# Altium PCB 10515.0462_全联供主板(2拼版)_V1.0.PcbDoc (part 17 of 18)
Units mm, origin at the board's own origin, x right, y up, seen from the top; angles counter-clockwise.
Board outline 282 x 198 mm, 2 copper layers (Top Layer, Bottom Layer); 716 components, 0 nets, 2364 pads, 1800 vias.
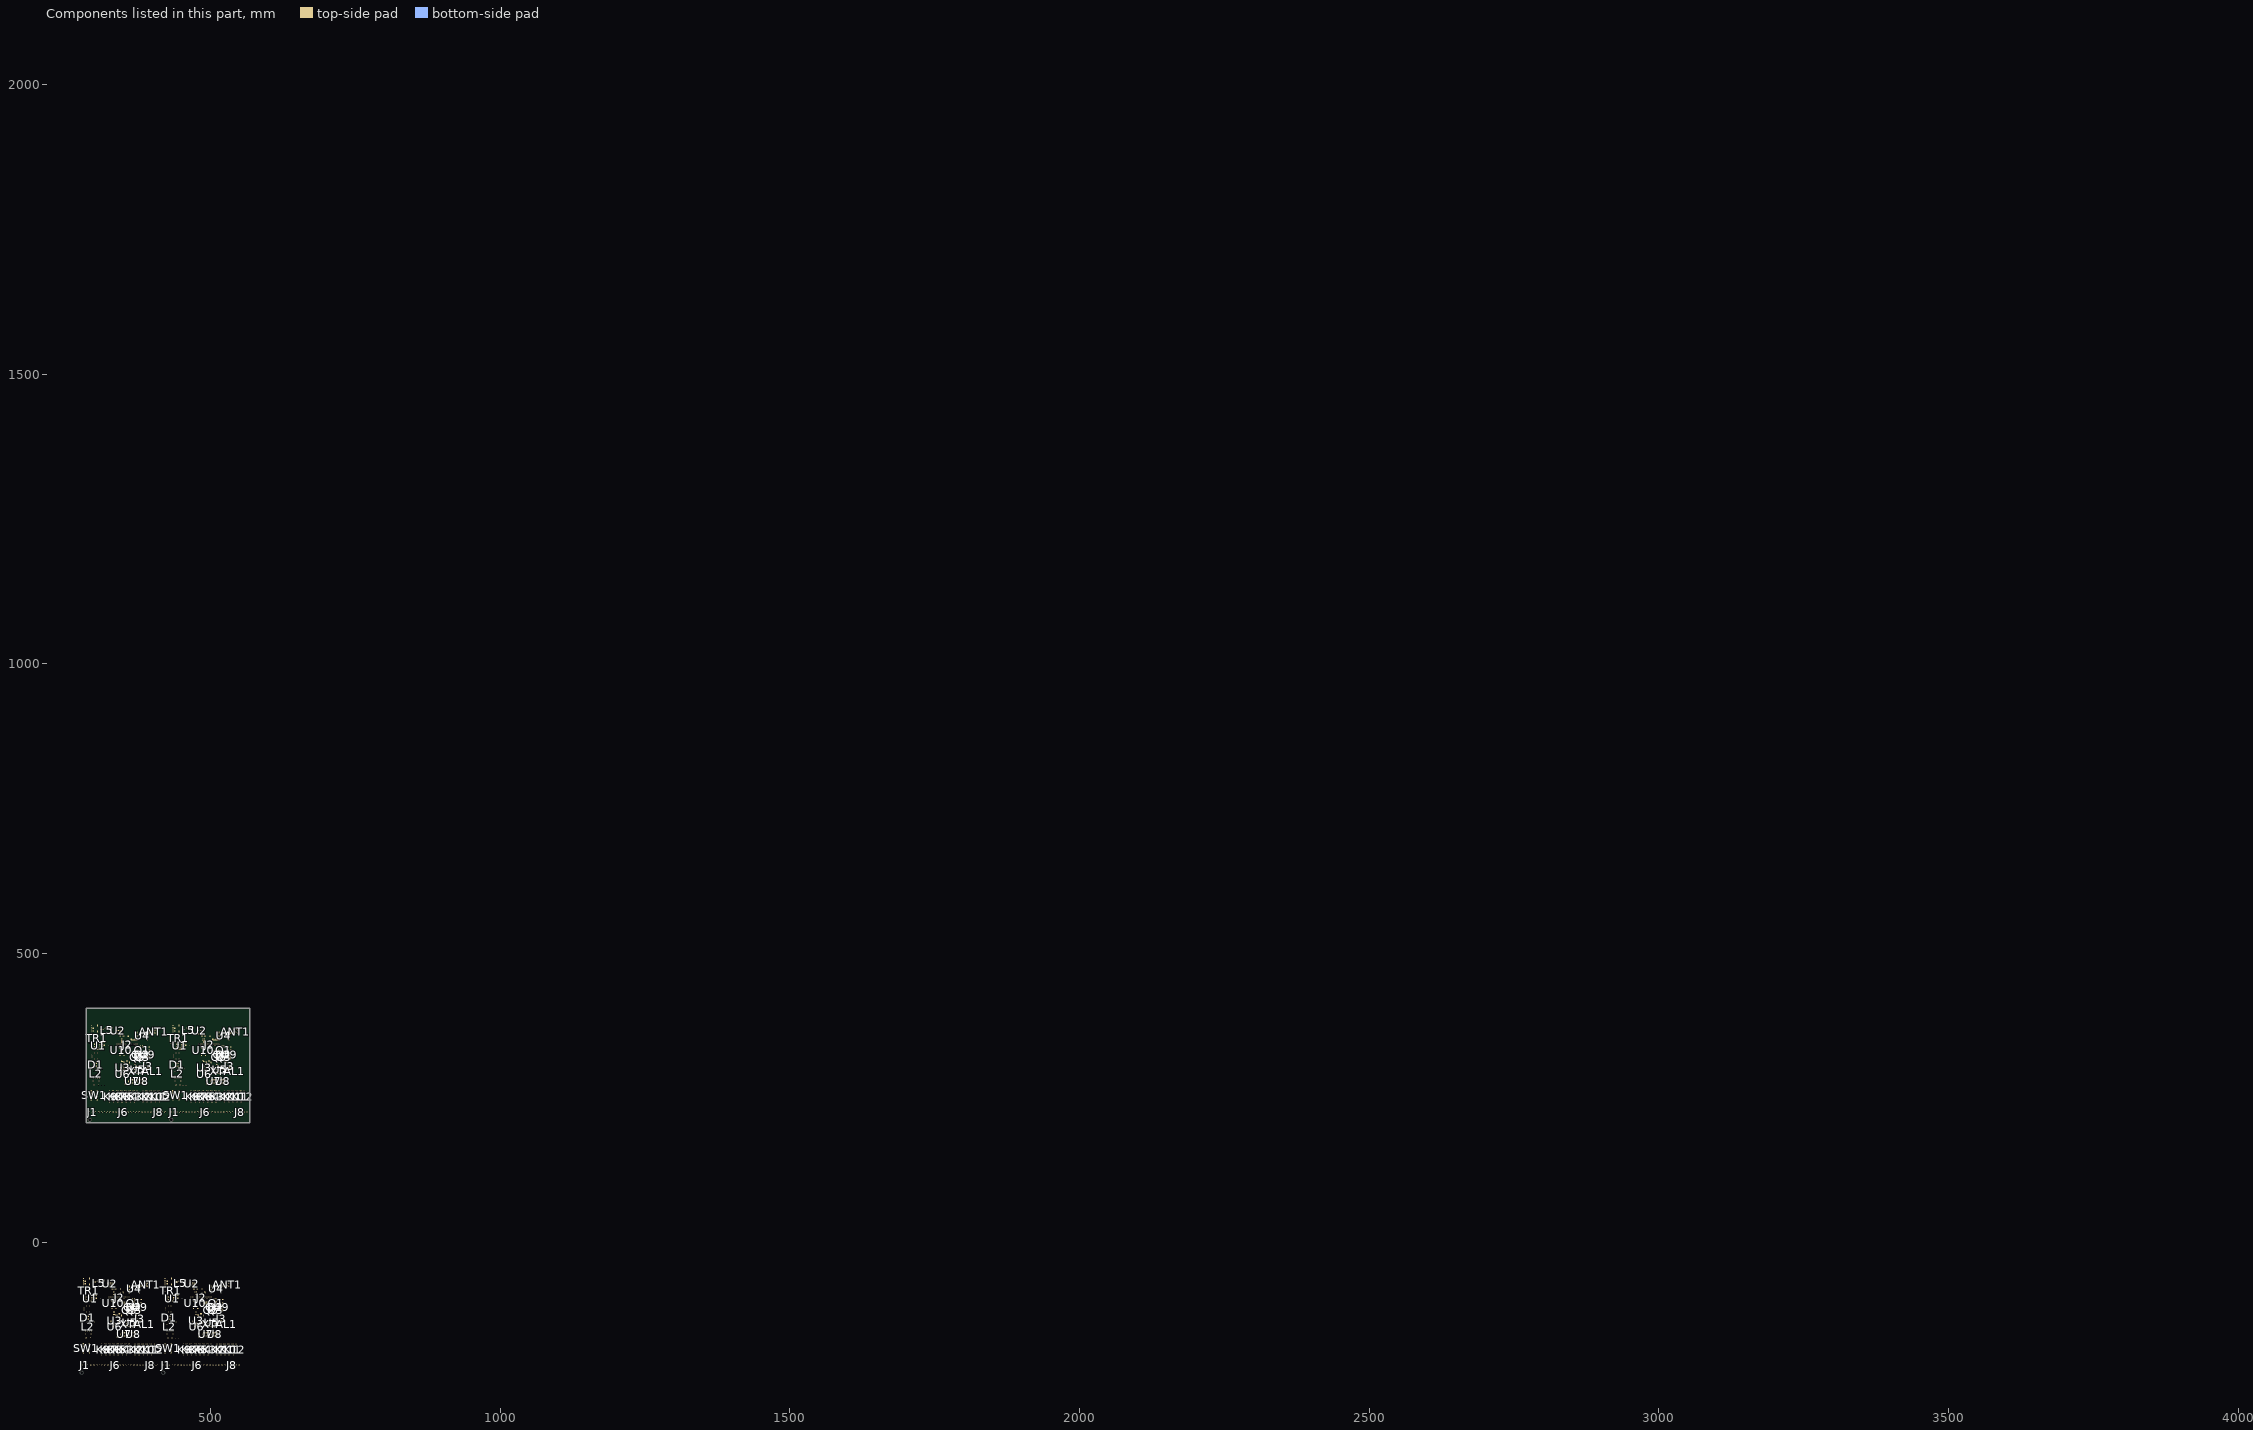
[diagram p17: the components of this part, seen from the top]

## Via types
v1: diameter 0.7, hole 0.4, Top Layer to Bottom Layer, tented both sides, 1800 vias

## Nets (pads, with @x,y where several pads share a name; then routed paths per layer and width w, separated by ;. In a path a pad name is that pad's centre, name@x,y a point inside that pad or via, vN(x,y) a via of type N, cw(c..) or ccw(c..) an arc to the next point about the centre after c; other vN are vias at no path point) (continued)
copper on no net: (continued)
  other v1: 333.609,-159.665 334.371,-159.665 474.609,-159.665 475.371,-159.665 333.99,-158.903 474.99,-158.903 371.943,-153.442 376.281,-153.442 512.943,-153.442 517.281,-153.442 326.731,-153.315 467.731,-153.315 379.837,-153.162 383.774,-153.162 520.837,-153.162 524.774,-153.162 332.319,-153.061 473.319,-153.061 338.923,-152.934 479.923,-152.934 369.403,-152.172 510.403,-152.172 324.191,-151.918 465.191,-151.918 345.527,-151.537 486.527,-151.537 386.441,-151.13 527.441,-151.13 374.63,-150.622 380.853,-150.622 515.63,-150.622 521.853,-150.622 338.923,-150.394 479.923,-150.394 330.688,-150.114 471.688,-150.114 345.801,-148.59 486.801,-148.59 338.181,-148.362 355.453,-148.362 372.959,-148.362 376.281,-148.362 479.181,-148.362 496.453,-148.362 513.959,-148.362 517.281,-148.362 368.387,-148.235 509.387,-148.235 327.259,-148.082 343.134,-148.082 352.405,-148.082 468.259,-148.082 484.134,-148.082 493.405,-148.082 348.575,-147.854 489.575,-147.854 379.563,-147.473 383.627,-147.473 520.563,-147.473 524.627,-147.473 323.175,-147.219 464.175,-147.219 385.806,-147.066 526.806,-147.066 348.067,-146.076 489.067,-146.076 345.527,-145.822 486.527,-145.822 328.021,-145.542 469.021,-145.542 350.373,-145.314 491.373,-145.314 354.437,-145.034 495.437,-145.034 341.229,-144.78 482.229,-144.78 367.01,-144.526 508.01,-144.526 345.166,-144.018 486.166,-144.018 339.939,-143.79 480.939,-143.79 340.955,-143.663 481.955,-143.663 324.338,-143.51 371.582,-143.51 465.338,-143.51 512.582,-143.51 344.511,-143.282 485.511,-143.282 386.167,-143.155 527.167,-143.155 341.737,-143.002 350.754,-143.014 366.375,-143.002 482.737,-143.002 491.754,-143.014 507.375,-143.002 377.297,-142.774 518.297,-142.774 368.151,-142.335 509.151,-142.335 355.818,-142.292 496.818,-142.292 327.747,-142.139 468.747,-142.139 380.091,-142.012 521.091,-142.012 348.341,-140.869 489.341,-140.869 352.913,-140.742 493.913,-140.742 331.303,-139.726 472.303,-139.726 357.485,-139.446 362.438,-139.446 498.485,-139.446 503.438,-139.446 323.83,-138.938 464.83,-138.938 338.415,-138.71 479.415,-138.71 341.971,-138.583 482.971,-138.583 359.009,-138.456 500.009,-138.456 361.168,-138.43 502.168,-138.43 356.469,-138.329 497.469,-138.329 377.424,-137.922 518.424,-137.922 331.303,-137.567 472.303,-137.567 380.98,-137.059 521.98,-137.059 357.993,-136.906 386.314,-136.906 498.993,-136.906 527.314,-136.906 361.93,-136.805 502.93,-136.805 356.469,-136.398 360.152,-136.398 497.469,-136.398 501.152,-136.398 323.175,-136.043 464.175,-136.043 357.866,-135.154 498.866,-135.154 342.987,-135.027 345.019,-135.027 483.987,-135.027 486.019,-135.027 361.295,-134.646 502.295,-134.646 323.683,-134.011 464.683,-134.011 345.928,-133.858 347.706,-133.858 486.928,-133.858 488.706,-133.858 356.703,-133.63 497.703,-133.63 359.751,-133.503 500.751,-133.503 344.15,-133.35 362.819,-133.35 485.15,-133.35 503.819,-133.35 353.548,-132.842 355.326,-132.842 494.548,-132.842 496.326,-132.842 353.929,-131.318 494.929,-131.318 370.378,-130.709 511.378,-130.709 365.867,-130.302 386.06,-130.302 506.867,-130.302 527.06,-130.302 364.47,-129.976 505.47,-129.976 347.198,-128.804 488.198,-128.804 376.154,-128.778 517.154,-128.778 353.655,-128.677 494.655,-128.677 346.182,-127.28 487.182,-127.28 284.587,-126.487 285.222,-126.487 425.587,-126.487 426.222,-126.487 323.175,-126.391 328.255,-126.391 464.175,-126.391 469.255,-126.391 381.742,-125.73 522.742,-125.73 365.232,-125.222 506.232,-125.222 386.167,-123.851 527.167,-123.851 377.805,-123.698 518.805,-123.698 327.386,-123.19 468.386,-123.19 365.486,-122.682 506.486,-122.682 382.103,-122.454 523.103,-122.454 336.784,-120.65 477.784,-120.65 327.513,-120.142 346.436,-120.142 468.513,-120.142 487.436,-120.142 337.673,-119.634 478.673,-119.634 341.463,-118.898 482.463,-118.898 342.88,-118.618 483.88,-118.618 327.513,-117.602 468.513,-117.602 340.447,-116.993 481.447,-116.993 322.941,-116.866 463.941,-116.866 336.383,-116.231 477.383,-116.231 338.923,-115.723 479.923,-115.723 343.007,-115.57 346.69,-115.57 484.007,-115.57 487.69,-115.57 382.123,-115.062 523.123,-115.062 327.005,-114.046 468.005,-114.046 385.659,-113.183 526.659,-113.183 323.068,-112.014 376.789,-112.014 464.068,-112.014 517.789,-112.014 381.869,-111.506 522.869,-111.506 336.657,-109.754 477.657,-109.754 326.878,-108.966 467.878,-108.966 373.614,-107.95 514.614,-107.95 322.667,-106.579 463.667,-106.579 358.501,-105.918 359.771,-105.918 499.501,-105.918 500.771,-105.918 327.239,-105.182 372.959,-105.182 468.239,-105.182 513.959,-105.182 382.123,-104.902 523.123,-104.902 386.167,-104.039 527.167,-104.039 335.514,-103.658 476.514,-103.658 322.941,-102.362 327.005,-102.362 336.657,-102.362 463.941,-102.362 468.005,-102.362 477.657,-102.362 359.009,-101.346 500.009,-101.346 361.783,-101.245 502.783,-101.245 382.377,-100.838 523.377,-100.838 380.579,-100.356 521.579,-100.356 373.467,-100.229 514.467,-100.229 327.239,-100.102 468.239,-100.102 336.657,-99.975 477.657,-99.975 322.667,-98.705 463.667,-98.705 382.611,-96.038 523.611,-96.038 380.853,-95.25 386.314,-95.25 521.853,-95.25 527.314,-95.25 362.565,-92.202 503.565,-92.202 377.023,-92.101 518.023,-92.101 366.355,-91.974 373.741,-91.974 507.355,-91.974 514.741,-91.974 381.087,-91.847 522.087,-91.847 369.804,-91.696 510.804,-91.696 379.055,-90.196 520.055,-90.196 325.989,-89.688 466.989,-89.688 329.271,-89.307 470.271,-89.307 346.436,-88.63 487.436,-88.63 345.227,-88.415 349.083,-88.418 486.227,-88.415 490.083,-88.418 323.83,-88.291 341.483,-88.291 464.83,-88.291 482.483,-88.291 350.5,-88.138 358.882,-88.138 371.074,-88.138 377.932,-88.138 491.5,-88.138 499.882,-88.138 512.074,-88.138 518.932,-88.138 355.687,-88.037 496.687,-88.037 348.067,-87.91 489.067,-87.91 345.846,-87.796 486.846,-87.796 361.275,-87.783 502.275,-87.783 353.929,-87.63 494.929,-87.63 342.245,-87.529 483.245,-87.529 350.099,-87.255 491.099,-87.255 379.964,-87.122 520.964,-87.122 337.399,-86.894 478.399,-86.894 327.894,-86.614 365.994,-86.614 468.894,-86.614 506.994,-86.614 371.943,-86.259 512.943,-86.259 362.184,-86.106 503.184,-86.106 339.451,-85.09 480.451,-85.09 323.957,-84.608 464.957,-84.608 380.091,-84.582 521.091,-84.582 346.436,-84.163 487.436,-84.163 371.074,-84.13 512.074,-84.13 363.835,-84.074 367.645,-84.074 504.835,-84.074 508.645,-84.074 335.875,-83.846 476.875,-83.846 344.912,-83.566 485.912,-83.566 380.071,-83.338 521.071,-83.338 326.243,-83.211 467.243,-83.211 339.578,-83.058 349.103,-83.058 480.578,-83.058 490.103,-83.058 354.056,-82.957 495.056,-82.957 329.291,-82.83 470.291,-82.83 303.764,-82.576 444.764,-82.576 344.912,-82.55 485.912,-82.55 302.621,-82.195 443.621,-82.195 350.607,-81.941 372.451,-81.941 491.607,-81.941 513.451,-81.941 303.637,-81.814 304.272,-81.814 444.637,-81.814 445.272,-81.814 352.532,-81.687 370.419,-81.687 493.532,-81.687 511.419,-81.687 302.958,-81.643 443.958,-81.643 335.26,-81.534 476.26,-81.534 347.559,-81.433 380.071,-81.433 488.559,-81.433 521.071,-81.433 339.431,-81.179 365.847,-81.179 480.431,-81.179 506.847,-81.179 336.784,-81.026 477.784,-81.026 302.494,-80.925 443.494,-80.925 355.58,-80.518 496.58,-80.518 363.073,-80.01 369.169,-80.01 504.073,-80.01 510.169,-80.01 349.083,-79.909 490.083,-79.909 365.232,-79.502 380.345,-79.502 506.232,-79.502 521.345,-79.502 323.576,-79.401 464.576,-79.401 327.005,-79.274 339.431,-79.274 468.005,-79.274 480.431,-79.274 347.198,-78.486 488.198,-78.486 375.499,-78.385 516.499,-78.385 355.687,-78.004 496.687,-78.004 350.246,-77.978 372.598,-77.978 491.246,-77.978 513.598,-77.978 377.023,-77.75 380.071,-77.75 518.023,-77.75 521.071,-77.75 339.832,-77.47 353.294,-77.47 370.439,-77.47 480.832,-77.47 494.294,-77.47 511.439,-77.47 373.614,-76.962 383.393,-76.962 387.457,-76.962 389.997,-76.962 391.902,-76.962 514.614,-76.962 524.393,-76.962 528.457,-76.962 530.997,-76.962 532.902,-76.962 385.151,-76.833 526.151,-76.833 344.003,-76.734 381.087,-76.734 485.003,-76.734 522.087,-76.734 386.568,-76.48 527.568,-76.48 336.784,-76.454 379.329,-76.454 477.784,-76.454 520.329,-76.454 362.565,-76.226 503.565,-76.226 376.007,-76.099 517.007,-76.099 367.264,-75.946 377.805,-75.946 508.264,-75.946 518.805,-75.946 347.051,-75.718 382.611,-75.718 387.691,-75.718 393.045,-75.718 488.051,-75.718 523.611,-75.718 528.691,-75.718 534.045,-75.718 341.737,-75.438 377.043,-75.438 482.737,-75.438 518.043,-75.438 378.44,-74.956 519.44,-74.956 351.389,-74.93 492.389,-74.93 382.631,-74.917 523.631,-74.917 380.579,-74.829 521.579,-74.829 354.163,-74.702 355.687,-74.702 495.163,-74.702 496.687,-74.702 387.076,-74.482 388.092,-74.482 528.076,-74.482 529.092,-74.482 374.884,-74.422 392.918,-74.422 515.884,-74.422 533.918,-74.422 364.089,-74.194 382.611,-74.194 505.089,-74.194 523.611,-74.194 369.911,-74.067 510.911,-74.067 378.44,-73.94 519.44,-73.94 332.72,-73.914 351.262,-73.914 473.72,-73.914 492.262,-73.914 373.467,-73.813 514.467,-73.813 349.23,-73.406 490.23,-73.406 332.085,-73.178 473.085,-73.178 382.814,-73.152 523.814,-73.152 338.923,-73.051 378.44,-73.051 392.771,-73.051 479.923,-73.051 519.44,-73.051 533.771,-73.051 375.349,-72.898 516.349,-72.898 374.483,-72.67 515.483,-72.67 341.971,-72.543 482.971,-72.543 371.836,-72.39 393.553,-72.39 512.836,-72.39 534.553,-72.39 390.113,-72.289 531.113,-72.289 336.149,-72.162 347.051,-72.162 477.149,-72.162 488.051,-72.162 391.247,-72.035 532.247,-72.035 351.897,-71.882 354.437,-71.882 365.232,-71.882 492.897,-71.882 495.437,-71.882 506.232,-71.882 322.944,-71.522 463.944,-71.522 390.113,-71.4 531.113,-71.4 356.596,-71.374 374.757,-71.374 497.596,-71.374 515.757,-71.374 334.351,-71.019 475.351,-71.019 392.283,-70.866 533.283,-70.866 382.611,-70.669 523.611,-70.669 393.279,-70.638 534.279,-70.638 375.9,-70.556 377.805,-70.556 516.9,-70.556 518.805,-70.556 374.991,-70.003 515.991,-70.003 377.023,-69.876 518.023,-69.876 336.276,-69.85 377.805,-69.85 477.276,-69.85 518.805,-69.85 382.585,-69.622 523.585,-69.622 386.949,-69.402 387.965,-69.402 527.949,-69.402 528.965,-69.402 378.694,-69.284 519.694,-69.284 318.496,-69.114 320.655,-69.114 459.496,-69.114 461.655,-69.114 334.859,-68.987 382.103,-68.987 475.859,-68.987 523.103,-68.987 371.328,-68.834 375.646,-68.834 380.345,-68.834 512.328,-68.834 516.646,-68.834 521.345,-68.834 363.815,-68.606 373.467,-68.606 504.815,-68.606 514.467,-68.606 378.547,-68.479 519.547,-68.479 343.007,-68.326 368.788,-68.326 387.584,-68.326 392.537,-68.326 393.553,-68.326 484.007,-68.326 509.788,-68.326 528.584,-68.326 533.537,-68.326 534.553,-68.326 358.227,-68.098 381.869,-68.098 499.227,-68.098 522.869,-68.098 355.179,-67.971 496.179,-67.971 332.974,-67.818 349.23,-67.818 379.71,-67.818 473.974,-67.818 490.23,-67.818 520.71,-67.818 335.875,-67.717 476.875,-67.717 360.259,-67.59 501.259,-67.59 320.318,-67.336 461.318,-67.336 392.537,-67.31 533.537,-67.31 383.119,-67.082 524.119,-67.082 366.883,-66.802 384.917,-66.802 386.695,-66.802 507.883,-66.802 525.917,-66.802 527.695,-66.802 390.231,-66.701 531.231,-66.701 379.055,-66.574 380.579,-66.574 520.055,-66.574 521.579,-66.574 321.798,-66.294 323.957,-66.294 326.116,-66.294 331.069,-66.294 333.228,-66.294 376.281,-66.294 462.798,-66.294 464.957,-66.294 467.116,-66.294 472.069,-66.294 474.228,-66.294 517.281,-66.294 328.255,-66.066 371.201,-66.066 392.771,-66.066 469.255,-66.066 512.201,-66.066 533.771,-66.066 387.691,-65.939 528.691,-65.939 356.596,-65.786 383.393,-65.786 497.596,-65.786 524.393,-65.786 341.971,-65.558 351.115,-65.558 482.971,-65.558 492.115,-65.558 364.597,-65.278 505.597,-65.278 376.281,-64.77 380.726,-64.77 517.281,-64.77 521.726,-64.77 386.167,-64.415 390.739,-64.415 527.167,-64.415 531.739,-64.415 382.885,-64.262 388.981,-64.262 523.885,-64.262 529.981,-64.262 379.329,-63.754 520.329,-63.754 347.238,276.93 348,276.93 488.238,276.93 489,276.93 347.619,277.692 488.619,277.692 385.572,283.153 389.91,283.153 526.572,283.153 530.91,283.153 340.36,283.28 481.36,283.28 393.466,283.433 397.403,283.433 534.466,283.433 538.403,283.433 345.948,283.534 486.948,283.534 352.552,283.661 493.552,283.661 383.032,284.423 524.032,284.423 337.82,284.677 478.82,284.677 359.156,285.058 500.156,285.058 400.07,285.465 541.07,285.465 388.259,285.973 394.482,285.973 529.259,285.973 535.482,285.973 352.552,286.201 493.552,286.201 344.317,286.481 485.317,286.481 359.43,288.005 500.43,288.005 351.81,288.233 369.082,288.233 386.588,288.233 389.91,288.233 492.81,288.233 510.082,288.233 527.588,288.233 530.91,288.233 382.016,288.36 523.016,288.36 340.888,288.513 356.763,288.513 366.034,288.513 481.888,288.513 497.763,288.513 507.034,288.513 362.204,288.741 503.204,288.741 393.192,289.122 397.256,289.122 534.192,289.122 538.256,289.122 336.804,289.376 477.804,289.376 399.435,289.529 540.435,289.529 361.696,290.519 502.696,290.519 359.156,290.773 500.156,290.773 341.65,291.053 482.65,291.053 364.002,291.281 505.002,291.281 368.066,291.561 509.066,291.561 354.858,291.816 495.858,291.816 380.639,292.069 521.639,292.069 358.795,292.577 499.795,292.577 353.568,292.805 494.568,292.805 354.584,292.932 495.584,292.932 337.967,293.085 385.211,293.085 478.967,293.085 526.211,293.085 358.14,293.313 499.14,293.313 399.796,293.44 540.796,293.44 364.383,293.581 505.383,293.581 355.366,293.593 380.004,293.593 496.366,293.593 521.004,293.593 390.926,293.821 531.926,293.821 381.78,294.26 522.78,294.26 369.447,294.303 510.447,294.303 341.376,294.456 482.376,294.456 393.72,294.583 534.72,294.583 361.97,295.726 502.97,295.726 366.542,295.853 507.542,295.853 344.932,296.869 485.932,296.869 371.114,297.149 376.067,297.149 512.114,297.149 517.067,297.149 337.459,297.657 478.459,297.657 352.044,297.885 493.044,297.885 355.6,298.012 496.6,298.012 372.638,298.139 513.638,298.139 374.797,298.165 515.797,298.165 370.098,298.266 511.098,298.266 391.053,298.673 532.053,298.673 344.932,299.028 485.932,299.028 394.609,299.536 535.609,299.536 371.622,299.689 399.943,299.689 512.622,299.689 540.943,299.689 375.559,299.79 516.559,299.79 370.098,300.197 373.781,300.197 511.098,300.197 514.781,300.197 336.804,300.552 477.804,300.552 371.495,301.441 512.495,301.441 356.616,301.568 358.648,301.568 497.616,301.568 499.648,301.568 374.924,301.949 515.924,301.949 337.312,302.584 478.312,302.584 359.557,302.737 361.335,302.737 500.557,302.737 502.335,302.737 370.332,302.965 511.332,302.965 373.38,303.092 514.38,303.092 357.779,303.245 376.448,303.245 498.779,303.245 517.448,303.245 367.177,303.753 368.955,303.753 508.177,303.753 509.955,303.753 367.558,305.277 508.558,305.277 384.007,305.886 525.007,305.886 379.496,306.293 399.689,306.293 520.496,306.293 540.689,306.293 378.099,306.62 519.099,306.62 360.827,307.791 501.827,307.791 389.783,307.817 530.783,307.817 367.284,307.918 508.284,307.918 359.811,309.315 500.811,309.315 298.216,310.108 298.851,310.108 439.216,310.108 439.851,310.108 336.804,310.204 341.884,310.204 477.804,310.204 482.884,310.204 395.371,310.865 536.371,310.865 378.861,311.373 519.861,311.373 399.796,312.744 540.796,312.744 391.434,312.897 532.434,312.897 341.015,313.405 482.015,313.405 379.115,313.913 520.115,313.913 395.732,314.141 536.732,314.141 350.413,315.945 491.413,315.945 341.142,316.453 360.065,316.453 482.142,316.453 501.065,316.453 351.302,316.961 492.302,316.961 355.092,317.697 496.092,317.697 356.509,317.977 497.509,317.977 341.142,318.993 482.142,318.993 354.076,319.602 495.076,319.602 336.57,319.729 477.57,319.729 350.012,320.364 491.012,320.364 352.552,320.872 493.552,320.872 356.636,321.025 360.319,321.025 497.636,321.025 501.319,321.025 395.752,321.533 536.752,321.533 340.634,322.549 481.634,322.549 399.288,323.412 540.288,323.412 336.697,324.581 390.418,324.581 477.697,324.581 531.418,324.581 395.498,325.089 536.498,325.089 350.286,326.841 491.286,326.841 340.507,327.629 481.507,327.629 387.243,328.645 528.243,328.645 336.296,330.016 477.296,330.016 372.13,330.677 373.4,330.677 513.13,330.677 514.4,330.677 340.868,331.413 386.588,331.413 481.868,331.413 527.588,331.413 395.752,331.693 536.752,331.693 399.796,332.556 540.796,332.556 349.143,332.937 490.143,332.937 336.57,334.233 340.634,334.233 350.286,334.233 477.57,334.233 481.634,334.233 491.286,334.233 372.638,335.249 513.638,335.249 375.412,335.35 516.412,335.35 396.006,335.757 537.006,335.757 394.208,336.239 535.208,336.239 387.096,336.366 528.096,336.366 340.868,336.493 481.868,336.493 350.286,336.62 491.286,336.62 336.296,337.89 477.296,337.89 396.24,340.557 537.24,340.557 394.482,341.345 399.943,341.345 535.482,341.345 540.943,341.345 376.194,344.393 517.194,344.393 390.652,344.494 531.652,344.494 379.984,344.621 387.37,344.621 520.984,344.621 528.37,344.621 394.716,344.748 535.716,344.748 383.433,344.899 524.433,344.899 392.684,346.399 533.684,346.399 339.618,346.907 480.618,346.907 342.9,347.288 483.9,347.288 360.065,347.965 501.065,347.965 358.856,348.18 362.712,348.177 499.856,348.18 503.712,348.177 337.459,348.304 355.112,348.304 478.459,348.304 496.112,348.304 364.129,348.457 372.511,348.457 384.703,348.457 391.561,348.457 505.129,348.457 513.511,348.457 525.703,348.457 532.561,348.457 369.316,348.558 510.316,348.558 361.696,348.685 502.696,348.685 359.475,348.799 500.475,348.799 374.904,348.812 515.904,348.812 367.558,348.965 508.558,348.965 355.874,349.066 496.874,349.066 363.728,349.34 504.728,349.34 393.593,349.473 534.593,349.473 351.028,349.701 492.028,349.701 341.523,349.981 379.623,349.981 482.523,349.981 520.623,349.981 385.572,350.336 526.572,350.336 375.813,350.489 516.813,350.489 353.08,351.505 494.08,351.505 337.586,351.987 478.586,351.987 393.72,352.013 534.72,352.013 360.065,352.432 501.065,352.432 384.703,352.465 525.703,352.465 377.464,352.521 381.274,352.521 518.464,352.521 522.274,352.521 349.504,352.749 490.504,352.749 358.541,353.029 499.541,353.029 393.7,353.257 534.7,353.257 339.872,353.384 480.872,353.384 353.207,353.537 362.732,353.537 494.207,353.537 503.732,353.537 367.685,353.638 508.685,353.638 342.92,353.765 483.92,353.765 317.393,354.019 458.393,354.019 358.541,354.045 499.541,354.045 316.25,354.4 457.25,354.4 364.236,354.654 386.08,354.654 505.236,354.654 527.08,354.654 317.266,354.781 317.901,354.781 458.266,354.781 458.901,354.781 366.161,354.908 384.048,354.908 507.161,354.908 525.048,354.908 316.587,354.952 457.587,354.952 348.889,355.061 489.889,355.061 361.188,355.162 393.7,355.162 502.188,355.162 534.7,355.162 353.06,355.416 379.476,355.416 494.06,355.416 520.476,355.416 350.413,355.569 491.413,355.569 316.123,355.67 457.123,355.67 369.209,356.077 510.209,356.077 376.702,356.585 382.798,356.585 517.702,356.585 523.798,356.585 362.712,356.686 503.712,356.686 378.861,357.093 393.974,357.093 519.861,357.093 534.974,357.093 337.205,357.194 478.205,357.194 340.634,357.321 353.06,357.321 481.634,357.321 494.06,357.321 360.827,358.109 501.827,358.109 389.128,358.21 530.128,358.21 369.316,358.591 510.316,358.591 363.875,358.617 386.227,358.617 504.875,358.617 527.227,358.617 390.652,358.845 393.7,358.845 531.652,358.845 534.7,358.845 353.461,359.125 366.923,359.125 384.068,359.125 494.461,359.125 507.923,359.125 525.068,359.125 387.243,359.633 397.022,359.633 401.086,359.633 403.626,359.633 405.531,359.633 528.243,359.633 538.022,359.633 542.086,359.633 544.626,359.633 546.531,359.633 398.78,359.763 539.78,359.763 357.632,359.861 394.716,359.861 498.632,359.861 535.716,359.861 400.197,360.115 541.197,360.115 350.413,360.141 392.958,360.141 491.413,360.141 533.958,360.141 376.194,360.369 517.194,360.369 389.636,360.496 530.636,360.496 380.893,360.649 391.434,360.649 521.893,360.649 532.434,360.649 360.68,360.877 396.24,360.877 401.32,360.877 406.674,360.877 501.68,360.877 537.24,360.877 542.32,360.877 547.674,360.877 355.366,361.157 390.672,361.157 496.366,361.157 531.672,361.157 392.069,361.639 533.069,361.639 365.018,361.665 396.26,361.679 506.018,361.665 537.26,361.679 394.208,361.766 535.208,361.766 367.792,361.893 369.316,361.893 508.792,361.893 510.316,361.893 400.705,362.114 401.721,362.114 541.705,362.114 542.721,362.114 388.513,362.173 406.547,362.173 529.513,362.173 547.547,362.173 377.718,362.401 396.24,362.401 518.718,362.401 537.24,362.401 383.54,362.528 524.54,362.528 392.069,362.655 533.069,362.655 346.349,362.681 364.891,362.681 487.349,362.681 505.891,362.681 387.096,362.782 528.096,362.782 362.859,363.189 503.859,363.189 345.714,363.417 486.714,363.417 396.443,363.443 537.443,363.443 352.552,363.544 392.069,363.544 406.4,363.544 493.552,363.544 533.069,363.544 547.4,363.544 388.978,363.697 529.978,363.697 388.112,363.925 529.112,363.925 355.6,364.052 496.6,364.052 385.465,364.205 407.182,364.205 526.465,364.205 548.182,364.205 403.741,364.306 544.741,364.306 349.778,364.433 360.68,364.433 490.778,364.433 501.68,364.433 404.876,364.56 545.876,364.56 365.526,364.713 368.066,364.713 378.861,364.713 506.526,364.713 509.066,364.713 519.861,364.713 336.573,365.074 477.573,365.074 403.741,365.195 544.741,365.195 370.225,365.221 388.386,365.221 511.225,365.221 529.386,365.221 347.98,365.576 488.98,365.576 405.912,365.729 546.912,365.729 396.24,365.927 537.24,365.927 406.908,365.957 547.908,365.957 389.529,366.039 391.434,366.039 530.529,366.039 532.434,366.039 388.62,366.592 529.62,366.592 390.652,366.719 531.652,366.719 349.905,366.745 391.434,366.745 490.905,366.745 532.434,366.745 396.213,366.973 537.213,366.973 400.578,367.194 401.594,367.194 541.578,367.194 542.594,367.194 392.323,367.311 533.323,367.311 332.125,367.481 334.284,367.481 473.125,367.481 475.284,367.481 348.488,367.608 395.732,367.608 489.488,367.608 536.732,367.608 384.957,367.761 389.275,367.761 393.974,367.761 525.957,367.761 530.275,367.761 534.974,367.761 377.444,367.989 387.096,367.989 518.444,367.989 528.096,367.989 392.176,368.116 533.176,368.116 356.636,368.269 382.417,368.269 401.213,368.269 406.166,368.269 407.182,368.269 497.636,368.269 523.417,368.269 542.213,368.269 547.166,368.269 548.182,368.269 371.856,368.497 395.498,368.497 512.856,368.497 536.498,368.497 368.808,368.624 509.808,368.624 346.603,368.777 362.859,368.777 393.339,368.777 487.603,368.777 503.859,368.777 534.339,368.777 349.504,368.878 490.504,368.878 373.888,369.005 514.888,369.005 333.947,369.259 474.947,369.259 406.166,369.285 547.166,369.285 396.748,369.513 537.748,369.513 380.512,369.793 398.546,369.793 400.324,369.793 521.512,369.793 539.546,369.793 541.324,369.793 403.86,369.894 544.86,369.894 392.684,370.021 394.208,370.021 533.684,370.021 535.208,370.021 335.427,370.301 337.586,370.301 339.745,370.301 344.698,370.301 346.857,370.301 389.91,370.301 476.427,370.301 478.586,370.301 480.745,370.301 485.698,370.301 487.857,370.301 530.91,370.301 341.884,370.529 384.83,370.529 406.4,370.529 482.884,370.529 525.83,370.529 547.4,370.529 401.32,370.656 542.32,370.656 370.225,370.809 397.022,370.809 511.225,370.809 538.022,370.809 355.6,371.037 364.744,371.037 496.6,371.037 505.744,371.037 378.226,371.317 519.226,371.317 389.91,371.825 394.355,371.825 530.91,371.825 535.355,371.825 399.796,372.18 404.368,372.18 540.796,372.18 545.368,372.18 396.514,372.333 402.61,372.333 537.514,372.333 543.61,372.333 392.958,372.841 533.958,372.841

## Polygon pours and split planes (outlines as drawn)
no net on Top Layer "Top Layer-No Net" (hatched 90Degree grid 0.508 track 0.508, remove dead copper, pour order 1000): 547.928,372.942 493.445,372.942 492.81,372.307 492.81,352.368 490.397,349.955 490.397,345.51 490.016,345.129 477.189,345.129 476.808,344.748 476.808,283.661 478.078,282.391 539.927,282.645 541.324,284.042 541.324,342.589 539.419,344.494 536.498,344.494 535.99,345.002 535.99,358.591 536.752,359.353 547.166,359.353 548.563,360.75 548.563,372.307
no net on Top Layer "Top Layer-No Net" (hatched 90Degree grid 0.508 track 0.508, remove dead copper, pour order 1001): 473.125,367.318 473.125,367.608 473.633,368.116 476.427,370.91 484.555,370.91 490.016,370.91 490.905,370.021 491.794,369.132 491.794,362.782 491.794,353.257 489.889,351.352 489.381,350.844 489.381,347.034 489.381,344.406 489.37,344.395 488.863,344.901 476.961,344.901 476.961,365.677 476.3,366.338 473.125,366.338 473.107,366.356 473.107,367.464
no net on Top Layer "Top Layer-No Net" (hatched 90Degree grid 0.508 track 0.508, remove dead copper, pour order 1000): 406.928,372.942 352.445,372.942 351.81,372.307 351.81,352.368 349.397,349.955 349.397,345.51 349.016,345.129 336.189,345.129 335.808,344.748 335.808,283.661 337.078,282.391 398.927,282.645 400.324,284.042 400.324,342.589 398.419,344.494 395.498,344.494 394.99,345.002 394.99,358.591 395.752,359.353 406.166,359.353 407.563,360.75 407.563,372.307
no net on Top Layer "Top Layer-No Net" (hatched 90Degree grid 0.508 track 0.508, remove dead copper, pour order 1001): 332.125,367.318 332.125,367.608 332.633,368.116 335.427,370.91 343.555,370.91 349.016,370.91 349.905,370.021 350.794,369.132 350.794,362.782 350.794,353.257 348.889,351.352 348.381,350.844 348.381,347.034 348.381,344.406 348.37,344.395 347.863,344.901 335.961,344.901 335.961,365.677 335.3,366.338 332.125,366.338 332.107,366.356 332.107,367.464
no net on Top Layer "Top Layer-No Net" (hatched 90Degree grid 0.508 track 0.508, remove dead copper, pour order 1000): 534.299,-63.653 479.816,-63.653 479.181,-64.288 479.181,-84.227 476.768,-86.64 476.768,-91.085 476.387,-91.466 463.56,-91.466 463.179,-91.847 463.179,-152.934 464.449,-154.204 526.298,-153.95 527.695,-152.553 527.695,-94.006 525.79,-92.101 522.869,-92.101 522.361,-91.593 522.361,-78.004 523.123,-77.242 533.537,-77.242 534.934,-75.845 534.934,-64.288
no net on Top Layer "Top Layer-No Net" (hatched 90Degree grid 0.508 track 0.508, remove dead copper, pour order 1001): 459.496,-69.278 459.496,-68.987 460.004,-68.479 462.798,-65.685 470.926,-65.685 476.387,-65.685 477.276,-66.574 478.165,-67.463 478.165,-73.813 478.165,-83.338 476.26,-85.243 475.752,-85.751 475.752,-89.561 475.752,-92.189 475.741,-92.2 475.235,-91.694 463.332,-91.694 463.332,-70.918 462.671,-70.257 459.496,-70.257 459.478,-70.239 459.478,-69.132
no net on Top Layer "Top Layer-No Net" (hatched 90Degree grid 0.508 track 0.508, remove dead copper, pour order 1000): 393.299,-63.653 338.816,-63.653 338.181,-64.288 338.181,-84.227 335.768,-86.64 335.768,-91.085 335.387,-91.466 322.56,-91.466 322.179,-91.847 322.179,-152.934 323.449,-154.204 385.298,-153.95 386.695,-152.553 386.695,-94.006 384.79,-92.101 381.869,-92.101 381.361,-91.593 381.361,-78.004 382.123,-77.242 392.537,-77.242 393.934,-75.845 393.934,-64.288
no net on Top Layer "Top Layer-No Net" (hatched 90Degree grid 0.508 track 0.508, remove dead copper, pour order 1001): 318.496,-69.278 318.496,-68.987 319.004,-68.479 321.798,-65.685 329.926,-65.685 335.387,-65.685 336.276,-66.574 337.165,-67.463 337.165,-73.813 337.165,-83.338 335.26,-85.243 334.752,-85.751 334.752,-89.561 334.752,-92.189 334.741,-92.2 334.235,-91.694 322.332,-91.694 322.332,-70.918 321.671,-70.257 318.496,-70.257 318.478,-70.239 318.478,-69.132
no net on Bottom Layer "Top Layer-No Net" (hatched 90Degree grid 0.508 track 0.508, remove dead copper, pour order 1002): 547.928,372.942 493.445,372.942 493.064,372.561 493.064,352.622 490.397,349.955 490.397,345.51 490.016,345.129 477.189,345.129 476.808,344.748 476.808,283.788 478.078,282.518 540.054,282.518 541.324,283.788 541.324,342.589 539.419,344.494 536.498,344.494 535.99,345.002 535.99,358.591 536.752,359.353 547.166,359.353 548.563,360.75 548.563,372.307
no net on Bottom Layer "Top Layer-No Net" (hatched 90Degree grid 0.508 track 0.508, remove dead copper, pour order 1003): 473.125,367.318 473.125,367.608 473.633,368.116 476.427,370.91 484.555,370.91 490.016,370.91 490.905,370.021 491.794,369.132 491.794,362.782 491.794,353.257 489.889,351.352 489.381,350.844 489.381,347.034 489.381,344.406 489.37,344.395 488.863,344.901 476.961,344.901 476.961,365.677 476.3,366.338 473.125,366.338 473.107,366.356 473.107,367.464
no net on Bottom Layer "Top Layer-No Net" (hatched 90Degree grid 0.508 track 0.508, remove dead copper, pour order 1002): 406.928,372.942 352.445,372.942 352.064,372.561 352.064,352.622 349.397,349.955 349.397,345.51 349.016,345.129 336.189,345.129 335.808,344.748 335.808,283.788 337.078,282.518 399.054,282.518 400.324,283.788 400.324,342.589 398.419,344.494 395.498,344.494 394.99,345.002 394.99,358.591 395.752,359.353 406.166,359.353 407.563,360.75 407.563,372.307
no net on Bottom Layer "Top Layer-No Net" (hatched 90Degree grid 0.508 track 0.508, remove dead copper, pour order 1003): 332.125,367.318 332.125,367.608 332.633,368.116 335.427,370.91 343.555,370.91 349.016,370.91 349.905,370.021 350.794,369.132 350.794,362.782 350.794,353.257 348.889,351.352 348.381,350.844 348.381,347.034 348.381,344.406 348.37,344.395 347.863,344.901 335.961,344.901 335.961,365.677 335.3,366.338 332.125,366.338 332.107,366.356 332.107,367.464
no net on Bottom Layer "Top Layer-No Net" (hatched 90Degree grid 0.508 track 0.508, remove dead copper, pour order 1002): 534.299,-63.653 479.816,-63.653 479.435,-64.034 479.435,-83.973 476.768,-86.64 476.768,-91.085 476.387,-91.466 463.56,-91.466 463.179,-91.847 463.179,-152.807 464.449,-154.077 526.425,-154.077 527.695,-152.807 527.695,-94.006 525.79,-92.101 522.869,-92.101 522.361,-91.593 522.361,-78.004 523.123,-77.242 533.537,-77.242 534.934,-75.845 534.934,-64.288
no net on Bottom Layer "Top Layer-No Net" (hatched 90Degree grid 0.508 track 0.508, remove dead copper, pour order 1003): 459.496,-69.278 459.496,-68.987 460.004,-68.479 462.798,-65.685 470.926,-65.685 476.387,-65.685 477.276,-66.574 478.165,-67.463 478.165,-73.813 478.165,-83.338 476.26,-85.243 475.752,-85.751 475.752,-89.561 475.752,-92.189 475.741,-92.2 475.235,-91.694 463.332,-91.694 463.332,-70.918 462.671,-70.257 459.496,-70.257 459.478,-70.239 459.478,-69.132
no net on Bottom Layer "Top Layer-No Net" (hatched 90Degree grid 0.508 track 0.508, remove dead copper, pour order 1002): 393.299,-63.653 338.816,-63.653 338.435,-64.034 338.435,-83.973 335.768,-86.64 335.768,-91.085 335.387,-91.466 322.56,-91.466 322.179,-91.847 322.179,-152.807 323.449,-154.077 385.425,-154.077 386.695,-152.807 386.695,-94.006 384.79,-92.101 381.869,-92.101 381.361,-91.593 381.361,-78.004 382.123,-77.242 392.537,-77.242 393.934,-75.845 393.934,-64.288
no net on Bottom Layer "Top Layer-No Net" (hatched 90Degree grid 0.508 track 0.508, remove dead copper, pour order 1003): 318.496,-69.278 318.496,-68.987 319.004,-68.479 321.798,-65.685 329.926,-65.685 335.387,-65.685 336.276,-66.574 337.165,-67.463 337.165,-73.813 337.165,-83.338 335.26,-85.243 334.752,-85.751 334.752,-89.561 334.752,-92.189 334.741,-92.2 334.235,-91.694 322.332,-91.694 322.332,-70.918 321.671,-70.257 318.496,-70.257 318.478,-70.239 318.478,-69.132

## Keep-outs
Keep-Out Layer:
  circle w0.127: c440.008,400.708 r2
  circle w0.127: c554.024,212.708 r2
  circle w0.127: c553.008,400.708 r2
  circle w0.127: c299.008,400.708 r2
  circle w0.127: c413.024,212.708 r2
  circle w0.127: c412.008,400.708 r2
  circle w0.127: c426.379,-35.887 r2
  circle w0.127: c540.395,-223.887 r2
  circle w0.127: c539.379,-35.887 r2
  circle w0.127: c285.379,-35.887 r2
  circle w0.127: c399.395,-223.887 r2
  circle w0.127: c398.379,-35.887 r2
  circle w0.127: c3148.858,948.974 r0.85
  circle w0.127: c3148.858,966.045 r1
  circle w0.127: c3192.858,966.045 r1
  circle w0.127: c3158.858,966.545 r0.3
  circle w0.127: c3160.858,966.545 r0.3
  circle w0.127: c3162.858,966.545 r0.3
  circle w0.127: c3164.858,966.545 r0.3
  circle w0.127: c3166.858,966.545 r0.3
  circle w0.127: c3168.858,966.545 r0.3
  circle w0.127: c3170.858,966.545 r0.3
  circle w0.127: c3172.858,966.545 r0.3
  circle w0.127: c3174.858,966.545 r0.3
  circle w0.127: c3176.858,966.545 r0.3
  circle w0.127: c3178.858,966.545 r0.3
  circle w0.127: c3180.858,966.545 r0.3
  circle w0.127: c3273.858,956.045 r1.3
  circle w0.127: c3253.858,956.045 r1.3
  circle w0.127: c3273.858,956.045 r1.292
  circle w0.127: c3253.858,956.045 r1.292
  circle w0.127: c3273.858,956.045 r1.093
  circle w0.127: c3253.858,956.045 r1.093
  circle w0.127: c3246.787,948.974 r1
  circle w0.127: c3280.929,948.974 r1
  circle w0.127: c3275.608,954.295 r0.25
  circle w0.127: c3272.108,954.295 r0.25
  circle w0.127: c3255.608,954.295 r0.25
  circle w0.127: c3252.108,954.295 r0.25
  circle w0.127: c3272.108,954.295 r0.05
  circle w0.127: c3275.608,954.295 r0.05
  circle w0.127: c3252.108,954.295 r0.05
  circle w0.127: c3255.608,954.295 r0.05
  circle w0.127: c3263.858,966.045 r1
  circle w0.127: c3275.608,957.795 r0.25
  circle w0.127: c3272.108,957.795 r0.25
  circle w0.127: c3255.608,957.795 r0.25
  circle w0.127: c3252.108,957.795 r0.25
  circle w0.127: c3275.608,957.795 r0.05
  circle w0.127: c3272.108,957.795 r0.05
  circle w0.127: c3255.608,957.795 r0.05
  circle w0.127: c3252.108,957.795 r0.05
  circle w0.127: c3822.974,1486.311 r0.85
  circle w0.127: c3822.974,1503.382 r1
  circle w0.127: c3866.974,1503.382 r1
  circle w0.127: c3832.974,1503.882 r0.3
  circle w0.127: c3834.974,1503.882 r0.3
  circle w0.127: c3836.974,1503.882 r0.3
  circle w0.127: c3838.974,1503.882 r0.3
  circle w0.127: c3840.974,1503.882 r0.3
  circle w0.127: c3842.974,1503.882 r0.3
  circle w0.127: c3844.974,1503.882 r0.3
  circle w0.127: c3846.974,1503.882 r0.3
  circle w0.127: c3848.974,1503.882 r0.3
  circle w0.127: c3850.974,1503.882 r0.3
  circle w0.127: c3852.974,1503.882 r0.3
  circle w0.127: c3854.974,1503.882 r0.3
  circle w0.127: c3947.974,1493.382 r1.3
  circle w0.127: c3927.974,1493.382 r1.3
  circle w0.127: c3947.974,1493.382 r1.292
  circle w0.127: c3927.974,1493.382 r1.292
  circle w0.127: c3947.974,1493.382 r1.093
  circle w0.127: c3927.974,1493.382 r1.093
  circle w0.127: c3920.903,1486.311 r1
  circle w0.127: c3955.045,1486.311 r1
  circle w0.127: c3949.724,1491.632 r0.25
  circle w0.127: c3946.224,1491.632 r0.25
  circle w0.127: c3929.724,1491.632 r0.25
  circle w0.127: c3926.224,1491.632 r0.25
  circle w0.127: c3946.224,1491.632 r0.05
  circle w0.127: c3949.724,1491.632 r0.05
  circle w0.127: c3926.224,1491.632 r0.05
  circle w0.127: c3929.724,1491.632 r0.05
  circle w0.127: c3937.974,1503.382 r1
  circle w0.127: c3949.724,1495.132 r0.25
  circle w0.127: c3946.224,1495.132 r0.25
  circle w0.127: c3929.724,1495.132 r0.25
  circle w0.127: c3926.224,1495.132 r0.25
  circle w0.127: c3949.724,1495.132 r0.05
  circle w0.127: c3946.224,1495.132 r0.05
  circle w0.127: c3929.724,1495.132 r0.05
  circle w0.127: c3926.224,1495.132 r0.05
  circle w0.152: c1448.817,2044.74 r1
  circle w0.152: c1465.888,2027.669 r1
  circle w0.152: c1431.746,2027.669 r1
  circle w0.152: c1377.817,2044.74 r1
  circle w0.152: c1333.817,2044.74 r1
  circle w0.152: c1333.817,2027.669 r0.85
  pour cut-out: 478.586,359.226 481.507,359.226 481.507,363.163 480.999,363.671 479.475,363.671 478.967,363.163 478.967,359.607
  pour cut-out: 337.586,359.226 340.507,359.226 340.507,363.163 339.999,363.671 338.475,363.671 337.967,363.163 337.967,359.607
  pour cut-out: 464.957,-77.369 467.878,-77.369 467.878,-73.432 467.37,-72.924 465.846,-72.924 465.338,-73.432 465.338,-76.988
  pour cut-out: 323.957,-77.369 326.878,-77.369 326.878,-73.432 326.37,-72.924 324.846,-72.924 324.338,-73.432 324.338,-76.988
  lines w0.127: 3156.358,965.545 3156.358,964.945 3156.858,964.945 3156.858,968.445 3156.358,968.445 3156.358,967.845 ; 3156.858,965.545 3155.858,965.545 3155.858,963.645 3183.858,963.645 3183.858,965.545 3182.858,965.545 ; 3156.858,967.845 3155.858,967.845 3155.858,969.045 3183.858,969.045 3183.858,967.845 3182.858,967.845 ; 3183.358,965.545 3183.358,964.945 3182.858,964.945 3182.858,968.445 3183.358,968.445 3183.358,967.845 ; 3251.933,953.795 3251.933,951.345 3253.283,951.345 3253.283,953.795 ; 3251.933,958.295 3251.933,960.745 3253.283,960.745 3253.283,958.295 ; 3252.233,953.295 3252.983,953.295 ; 3252.233,953.395 3252.983,953.395 ; 3252.233,953.795 3252.233,952.845 3252.983,952.845 3252.983,953.795 ; 3252.233,958.295 3252.233,959.245 3252.983,959.245 3252.983,958.295 ; 3252.233,958.695 3252.983,958.695 ; 3252.233,958.795 3252.983,958.795 ; 3254.433,953.795 3254.433,951.345 3255.783,951.345 3255.783,953.795 ; 3254.433,958.295 3254.433,960.745 3255.783,960.745 3255.783,958.295 ; 3254.733,953.295 3255.483,953.295 ; 3254.733,953.395 3255.483,953.395 ; 3254.733,953.795 3254.733,952.845 3255.483,952.845 3255.483,953.795 ; 3254.733,958.295 3254.733,959.245 3255.483,959.245 3255.483,958.295 ; 3254.733,958.695 3255.483,958.695 ; 3254.733,958.795 3255.483,958.795 ; 3271.933,953.795 3271.933,951.345 3273.283,951.345 3273.283,953.795 ; 3271.933,958.295 3271.933,960.745 3273.283,960.745 3273.283,958.295 ; 3272.233,953.295 3272.983,953.295 ; 3272.233,953.395 3272.983,953.395 ; 3272.233,953.795 3272.233,952.845 3272.983,952.845 3272.983,953.795 ; 3272.233,958.295 3272.233,959.245 3272.983,959.245 3272.983,958.295 ; 3272.233,958.695 3272.983,958.695 ; 3272.233,958.795 3272.983,958.795 ; 3274.433,953.795 3274.433,951.345 3275.783,951.345 3275.783,953.795 ; 3274.433,958.295 3274.433,960.745 3275.783,960.745 3275.783,958.295 ; 3274.733,953.295 3275.483,953.295 ; 3274.733,953.395 3275.483,953.395 ; 3274.733,953.795 3274.733,952.845 3275.483,952.845 3275.483,953.795 ; 3274.733,958.295 3274.733,959.245 3275.483,959.245 3275.483,958.295 ; 3274.733,958.695 3275.483,958.695 ; 3274.733,958.795 3275.483,958.795 ; 3830.474,1502.882 3830.474,1502.282 3830.974,1502.282 3830.974,1505.782 3830.474,1505.782 3830.474,1505.182 ; 3830.974,1502.882 3829.974,1502.882 3829.974,1500.982 3857.974,1500.982 3857.974,1502.882 3856.974,1502.882 ; 3830.974,1505.182 3829.974,1505.182 3829.974,1506.382 3857.974,1506.382 3857.974,1505.182 3856.974,1505.182 ; 3857.474,1502.882 3857.474,1502.282 3856.974,1502.282 3856.974,1505.782 3857.474,1505.782 3857.474,1505.182 ; 3926.049,1491.132 3926.049,1488.682 3927.399,1488.682 3927.399,1491.132 ; 3926.049,1495.632 3926.049,1498.082 3927.399,1498.082 3927.399,1495.632 ; 3926.349,1490.632 3927.099,1490.632 ; 3926.349,1490.732 3927.099,1490.732 ; 3926.349,1491.132 3926.349,1490.182 3927.099,1490.182 3927.099,1491.132 ; 3926.349,1495.632 3926.349,1496.582 3927.099,1496.582 3927.099,1495.632 ; 3926.349,1496.032 3927.099,1496.032 ; 3926.349,1496.132 3927.099,1496.132 ; 3928.549,1491.132 3928.549,1488.682 3929.899,1488.682 3929.899,1491.132 ; 3928.549,1495.632 3928.549,1498.082 3929.899,1498.082 3929.899,1495.632 ; 3928.849,1490.632 3929.599,1490.632 ; 3928.849,1490.732 3929.599,1490.732 ; 3928.849,1491.132 3928.849,1490.182 3929.599,1490.182 3929.599,1491.132 ; 3928.849,1495.632 3928.849,1496.582 3929.599,1496.582 3929.599,1495.632 ; 3928.849,1496.032 3929.599,1496.032 ; 3928.849,1496.132 3929.599,1496.132 ; 3946.049,1491.132 3946.049,1488.682 3947.399,1488.682 3947.399,1491.132 ; 3946.049,1495.632 3946.049,1498.082 3947.399,1498.082 3947.399,1495.632 ; 3946.349,1490.632 3947.099,1490.632 ; 3946.349,1490.732 3947.099,1490.732 ; 3946.349,1491.132 3946.349,1490.182 3947.099,1490.182 3947.099,1491.132 ; 3946.349,1495.632 3946.349,1496.582 3947.099,1496.582 3947.099,1495.632 ; 3946.349,1496.032 3947.099,1496.032 ; 3946.349,1496.132 3947.099,1496.132 ; 3948.549,1491.132 3948.549,1488.682 3949.899,1488.682 3949.899,1491.132 ; 3948.549,1495.632 3948.549,1498.082 3949.899,1498.082 3949.899,1495.632 ; 3948.849,1490.632 3949.599,1490.632 ; 3948.849,1490.732 3949.599,1490.732 ; 3948.849,1491.132 3948.849,1490.182 3949.599,1490.182 3949.599,1491.132 ; 3948.849,1495.632 3948.849,1496.582 3949.599,1496.582 3949.599,1495.632 ; 3948.849,1496.032 3949.599,1496.032 ; 3948.849,1496.132 3949.599,1496.132 ; 412.379,-228.887 553.379,-228.887 553.379,-217.887 553.379,-41.887 553.379,-30.887 412.379,-30.887 ; 412.379,-228.887 412.379,-217.887 ; 412.379,-228.887 271.379,-228.887 271.379,-217.887 271.379,-41.887 271.379,-30.887 412.379,-30.887 ; 412.379,-228.887 412.379,-217.887 ; 412.379,-217.887 412.379,-41.887 ; 412.379,-217.887 412.379,-41.887 ; 412.379,-41.887 412.379,-30.887 ; 412.379,-41.887 412.379,-30.887 ; 426.008,207.708 567.008,207.708 567.008,218.708 567.008,394.708 567.008,405.708 426.008,405.708 ; 426.008,207.708 426.008,218.708 ; 426.008,207.708 285.008,207.708 285.008,218.708 285.008,394.708 285.008,405.708 426.008,405.708 ; 426.008,207.708 426.008,218.708 ; 426.008,218.708 426.008,394.708 ; 426.008,218.708 426.008,394.708 ; 426.008,394.708 426.008,405.708 ; 426.008,394.708 426.008,405.708 ; 3143.858,945.045 3143.858,970.045 3283.858,970.045 3283.858,945.045 3143.858,945.045 ; 3157.458,964.145 3182.258,964.145 3182.258,967.645 3179.733,967.645 3179.733,968.545 3159.983,968.545 3159.983,967.645 3157.458,967.645 3157.458,964.145 ; 3251.608,953.995 ccw(c3251.808,953.995) 3251.808,953.795 3255.908,953.795 ccw(c3255.908,953.995) 3256.108,953.995 3256.108,958.095 ccw(c3255.908,958.095) 3255.908,958.295 3251.808,958.295 ccw(c3251.808,958.095) 3251.608,958.095 3251.608,953.995 ; 3271.608,953.995 ccw(c3271.808,953.995) 3271.808,953.795 3275.908,953.795 ccw(c3275.908,953.995) 3276.108,953.995 3276.108,958.095 ccw(c3275.908,958.095) 3275.908,958.295 3271.808,958.295 ccw(c3271.808,958.095) 3271.608,958.095 3271.608,953.995 ; 3817.974,1482.382 3817.974,1507.382 3957.974,1507.382 3957.974,1482.382 3817.974,1482.382 ; 3831.574,1501.482 3856.374,1501.482 3856.374,1504.982 3853.849,1504.982 3853.849,1505.882 3834.099,1505.882 3834.099,1504.982 3831.574,1504.982 3831.574,1501.482 ; 3925.724,1491.332 ccw(c3925.924,1491.332) 3925.924,1491.132 3930.024,1491.132 ccw(c3930.024,1491.332) 3930.224,1491.332 3930.224,1495.432 ccw(c3930.024,1495.432) 3930.024,1495.632 3925.924,1495.632 ccw(c3925.924,1495.432) 3925.724,1495.432 3925.724,1491.332 ; 3945.724,1491.332 ccw(c3945.924,1491.332) 3945.924,1491.132 3950.024,1491.132 ccw(c3950.024,1491.332) 3950.224,1491.332 3950.224,1495.432 ccw(c3950.024,1495.432) 3950.024,1495.632 3945.924,1495.632 ccw(c3945.924,1495.432) 3945.724,1495.432 3945.724,1491.332
  lines w0.152: 1328.817,2023.74 1468.817,2023.74 1468.817,2048.74 1328.817,2048.74 1328.817,2023.74
  lines w1.2: 274.808,-80.036 280.777,-80.036 285.476,-84.735 303.129,-84.735 306.304,-87.91 306.304,-99.721 ; 279.634,-214.148 279.634,-205.893 ; 287.635,-134.519 287.635,-128.677 ; 288.437,356.559 294.406,356.559 299.105,351.86 316.758,351.86 319.933,348.685 319.933,336.874 ; 288.524,-155.728 288.524,-164.872 292.842,-169.19 ; 293.263,222.447 293.263,230.702 ; 295.382,-215.037 295.382,-208.433 308.971,-194.844 308.971,-192.304 312.464,-188.811 ; 301.264,302.076 301.264,307.918 ; 302.153,280.867 302.153,271.723 306.471,267.405 ; 309.011,221.558 309.011,228.162 322.6,241.751 322.6,244.291 326.092,247.784 ; 415.808,-80.036 421.777,-80.036 426.476,-84.735 444.129,-84.735 447.304,-87.91 447.304,-99.721 ; 420.634,-214.148 420.634,-205.893 ; 428.635,-134.519 428.635,-128.677 ; 429.437,356.559 435.406,356.559 440.105,351.86 457.758,351.86 460.933,348.685 460.933,336.874 ; 429.524,-155.728 429.524,-164.872 433.842,-169.19 ; 434.263,222.447 434.263,230.702 ; 436.382,-215.037 436.382,-208.433 449.971,-194.844 449.971,-192.304 453.464,-188.811 ; 442.264,302.076 442.264,307.918 ; 443.153,280.867 443.153,271.723 447.471,267.405 ; 450.011,221.558 450.011,228.162 463.6,241.751 463.6,244.291 467.092,247.784
  lines w1.7: 275.951,-181.509 304.653,-181.509 ; 276.205,-184.811 276.205,-196.114 284.587,-204.496 284.587,-213.513 ; 289.58,255.086 318.282,255.086 ; 289.834,251.784 289.834,240.481 298.216,232.099 298.216,223.082 ; 416.951,-181.509 445.653,-181.509 ; 417.205,-184.811 417.205,-196.114 425.587,-204.496 425.587,-213.513 ; 430.58,255.086 459.282,255.086 ; 430.834,251.784 430.834,240.481 439.216,232.099 439.216,223.082
  lines w3: 285.349,-181.255 285.349,-170.714 ; 298.978,255.34 298.978,265.881 ; 426.349,-181.255 426.349,-170.714 ; 439.978,255.34 439.978,265.881